# Altium PCB pcb.PcbDoc
Units mil, origin at the board's own origin, x right, y up, seen from the top; angles counter-clockwise.
Board outline 4763.78 x 3385.83 mil, 2 copper layers (Top Layer, Bottom Layer), stack 62.205 mil thick; 83 components, 49 nets, 213 pads, 41 vias.
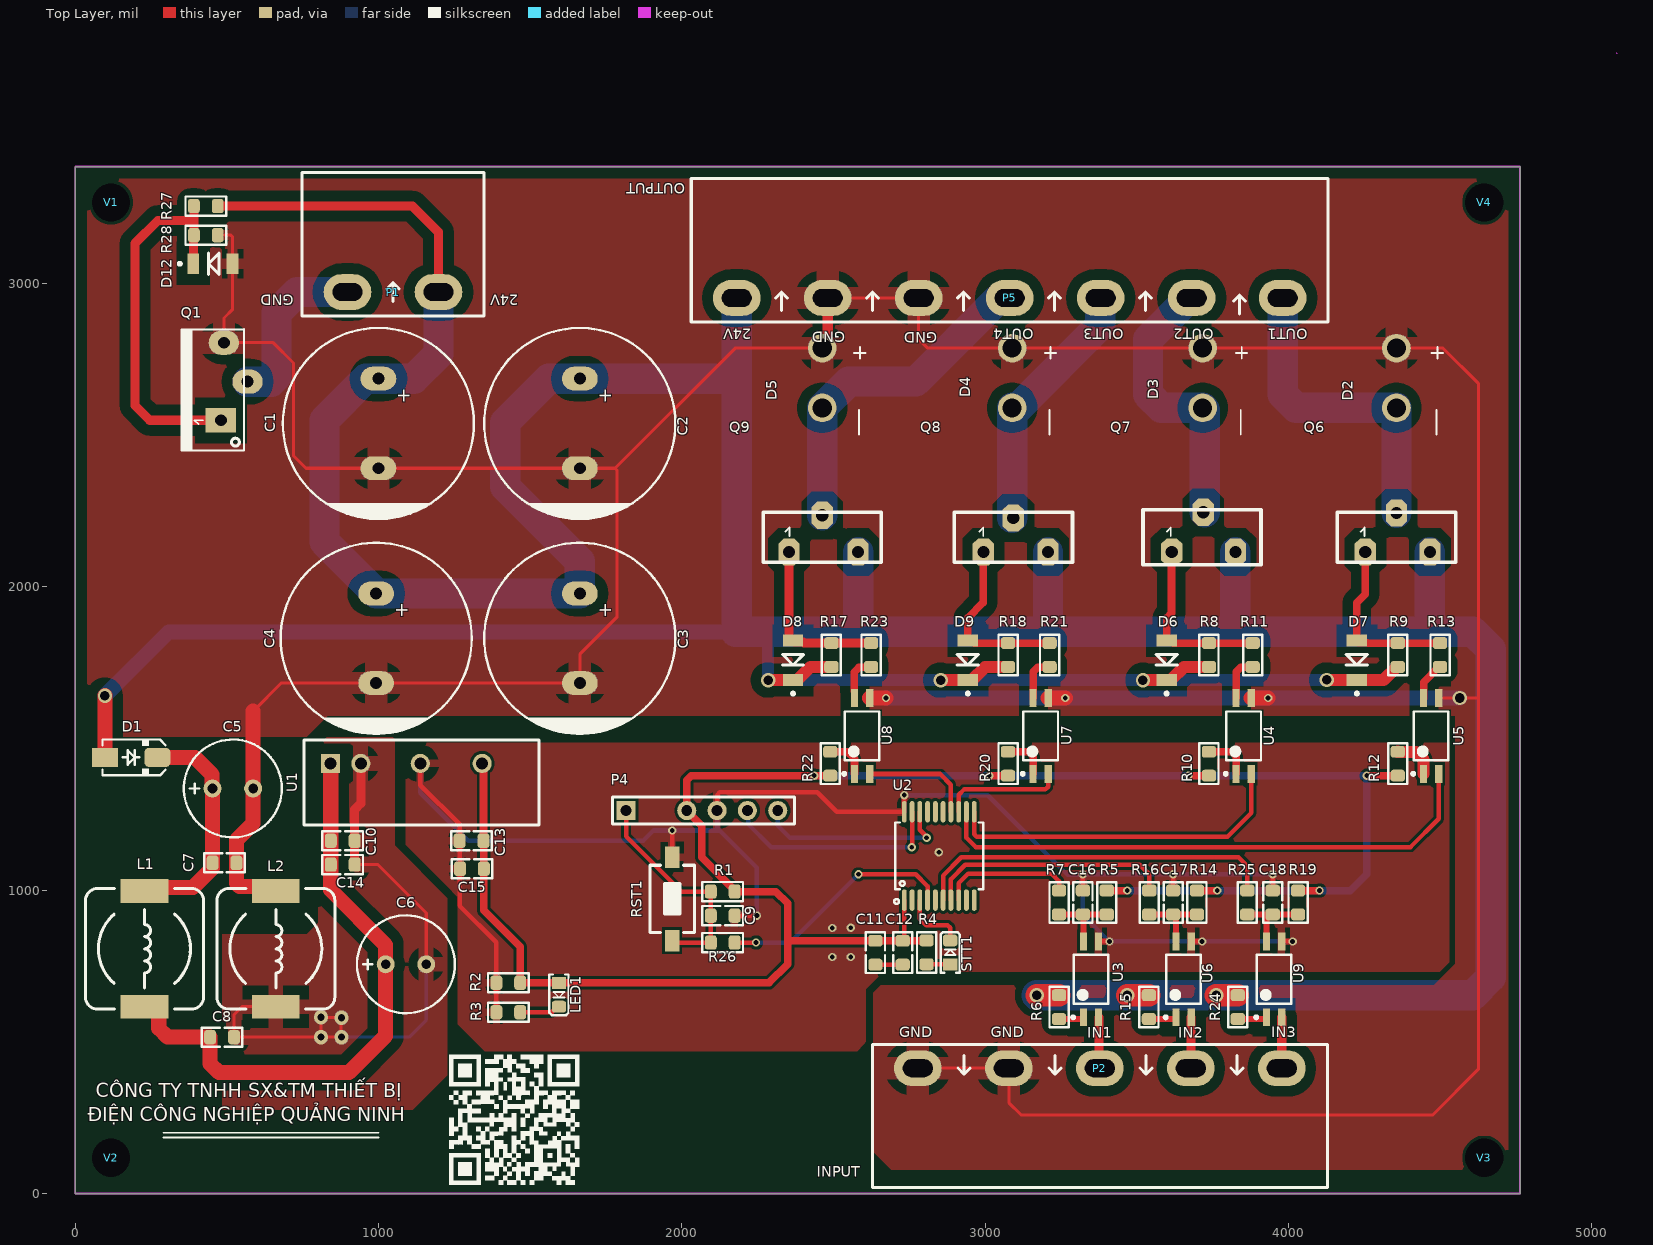
[diagram p0: Top Layer view]
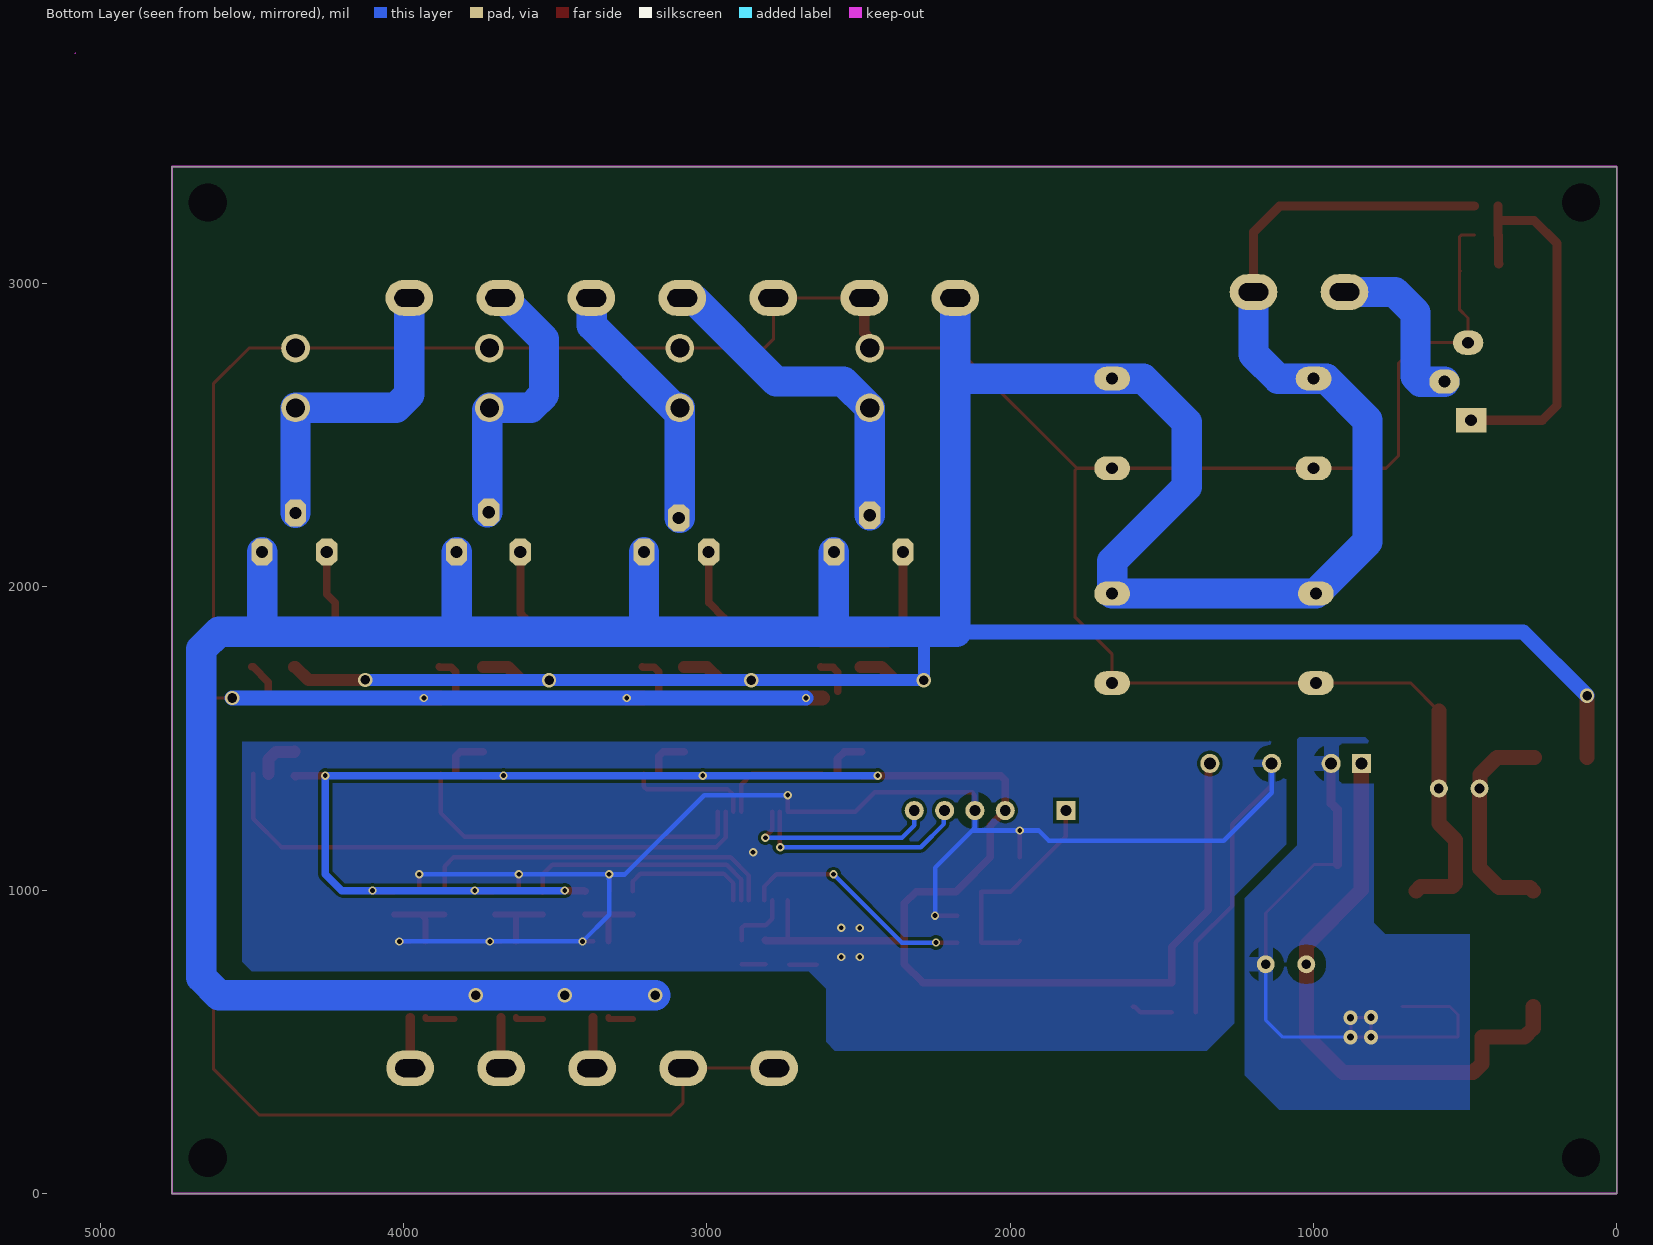
[diagram p1: Bottom Layer view, seen from below]
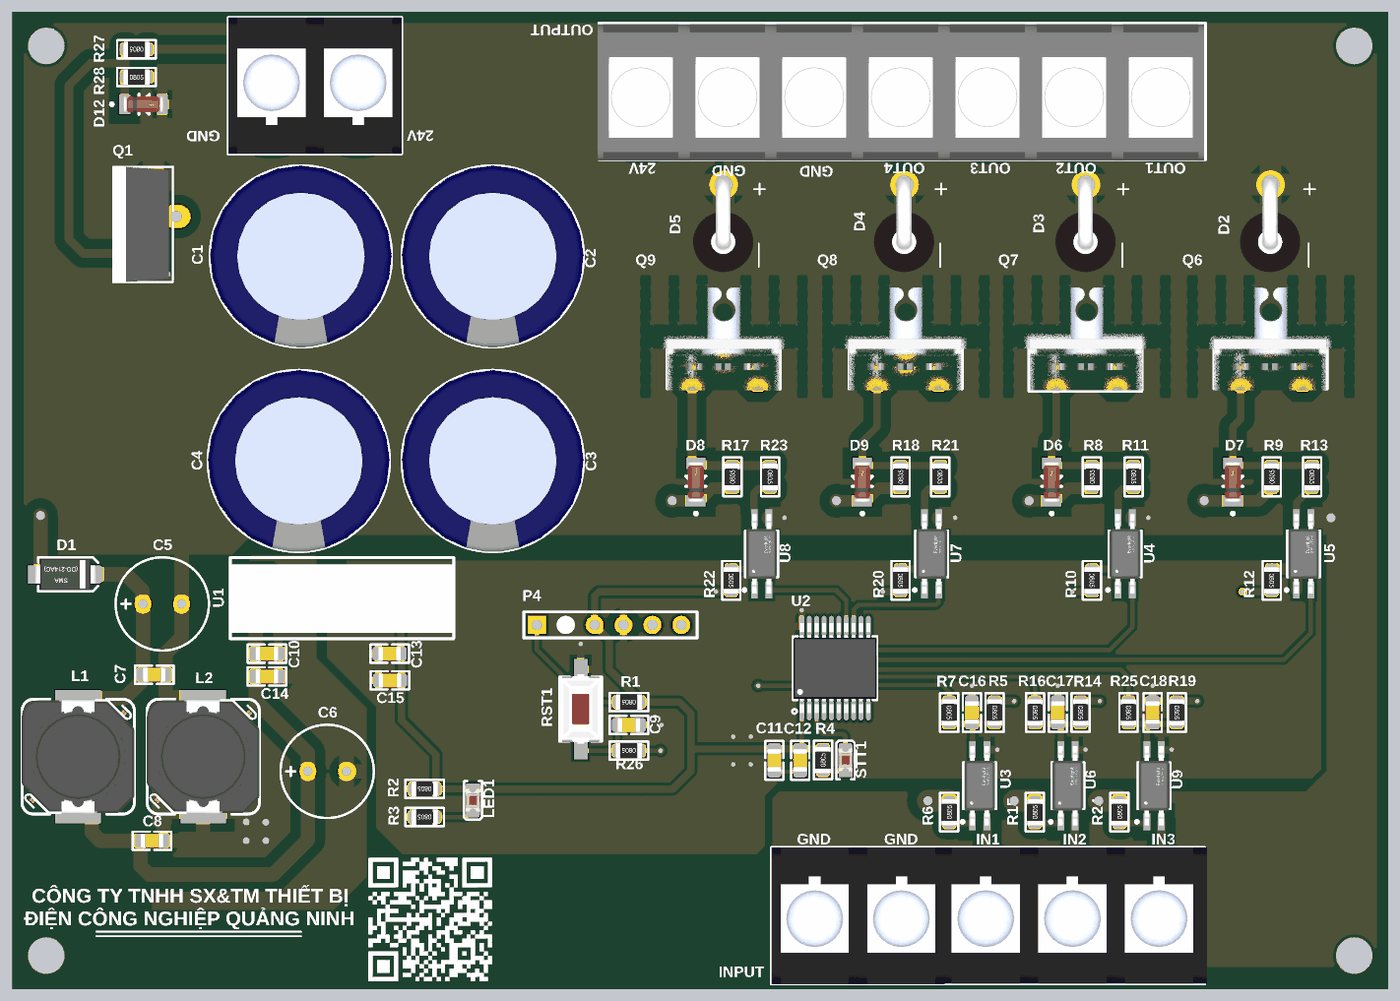
[diagram p2: 3D render of the assembled board from above, using the file's embedded part models]

## Layer stack, top to bottom
Top Solder: solder mask 0.3937, Solder Resist, Dk 3.5
Top Layer: signal copper 1.378
Dielectric 1: dielectric 59.4488, FR-4, Dk 4.8
Bottom Layer: signal copper 1.378
Bottom Solder: solder mask 0.3937, Solder Resist, Dk 3.5

## Board outline
0,0 4763.78,0 4763.78,3385.83 0,3385.83

## Design rules (kind name [scope] priority, off if disabled: settings)
Clearance 24V_MCU [InNet('24V_MCU') vs InNet('GND_24V_MCU')] p1: gap=10 ignorepadtopadclearanceinfootprint=FALSE except(5: SMDPad-SMDPad; 35: Arc-Poly Track-Poly SMDPad-Poly THPad-Poly Via-Poly Fill-Poly Poly-Poly)
Clearance Net_class_GND [InNetClass('OUT') vs InNet('GND_LOAD')] p2: gap=10 ignorepadtopadclearanceinfootprint=FALSE except(5: SMDPad-SMDPad; 35: Arc-Poly Track-Poly SMDPad-Poly THPad-Poly Via-Poly Fill-Poly Poly-Poly)
Clearance GND_5V [All vs InNet('GND_5V')] p3: gap=10 ignorepadtopadclearanceinfootprint=FALSE except(5: SMDPad-SMDPad)
Clearance P5_1 [InNet('NetP1_1')] p4: gap=10 ignorepadtopadclearanceinfootprint=FALSE except(5: SMDPad-SMDPad; 35: Arc-Poly Track-Poly SMDPad-Poly THPad-Poly Via-Poly Fill-Poly Poly-Poly)
Clearance GND_LOAD [All vs InNet('GND_LOAD')] p5: gap=10 ignorepadtopadclearanceinfootprint=FALSE except(5: SMDPad-SMDPad; 35: Arc-Poly Track-Poly SMDPad-Poly THPad-Poly Via-Poly Fill-Poly Poly-Poly)
Height [All] p1: minheight=0 maxheight=1574.8 prefheight=500
HoleSize [All] p1: absolutevalues=TRUE maxlimit=236.22 minlimit=3.94 maxpercent=80.000 minpercent=20.000
MinimumSolderMaskSliver [All] p1: minsoldermaskwidth=1
PlaneConnect [All] p1: planeconnectstyle=Relief reliefexpansion=20 reliefentries=4 reliefconductorwidth=35 reliefairgap=10
PolygonConnect [All] p1: thpad.connectstyle=Relief thpad.reliefconductorwidth=25 thpad.reliefentries=4 thpad.polygonreliefangle="90 Angle" thpad.airgapwidth=30 smdpad.connectstyle=Relief smdpad.reliefconductorwidth=25 smdpad.reliefentries=4 smdpad.polygonreliefangle="90 Angle" smdpad.airgapwidth=15 via.connectstyle=Relief via.reliefconductorwidth=25 via.reliefentries=4 via.polygonreliefangle="90 Angle" via.airgapwidth=15
RoutingVias [All] p1: holewidth=15.75 width=27.56 viastyle="Through Hole" minholewidth=11.81 minwidth=23.62 maxholewidth=39.37 maxwidth=98.43
SilkToSilkClearance [All] p1: silktosilkclearance=1
SilkToSolderMaskClearance [IsPad] p1: minsilkscreentomaskgap=0 clearancetoexposedcopper=TRUE
SolderMaskExpansion [All] p1: expansion=4 istentingtop=FALSE
SupplyNets "Schematic Supply Nets_3" [InNet('GND_24V_MCU')] p1: voltage=0.000
SupplyNets "Schematic Supply Nets_1" [InNet('24V_MCU')] p2: voltage=0.000
SupplyNets "Schematic Supply Nets" [InNet('24V_LOAD')] p3: voltage=0.000
SupplyNets "Schematic Supply Nets_8" [InNet('GND_LOAD')] p4: voltage=0.000
SupplyNets "Schematic Supply Nets_5" [InNet('+5')] p5: voltage=0.000
SupplyNets "Schematic Supply Nets_2" [InNet('GND_5V')] p6: voltage=0.000
UnRoutedNet [All] p1: checkbadconnections=TRUE
Width [All] p1: maxlimit=100 minlimit=10 preferedwidth=50
23 further rules are at their usual default settings.

## Components (designator, comment, footprint, x,y, rotation, side; value= is the part's Value field where it differs from the comment)
C1 "2200uF/35V" C_16x27 999.6,2539.06 r270 top
C2 "2200uF/35V" C_16x27 1663.65,2539.06 r270 top
C3 "2200uF/35V" C_16x27 1663.65,1830.71 r270 top
C4 "2200uF/35V" C_16x27 992.3,1830.71 r270 top
C5 "470uF/35V" C8X12mm 519.68,1335.62 r0 top
C6 "470uF/35V" C8X12mm 1090.55,755.91 r0 top
C7 "104" C_0805_SMD 492.13,1090.55 r180 top
C8 "104" C_0805_SMD 484.25,515.75 r180 top
C9 "104" C_0805_SMD 2134.96,916.47 r180 top
C10 "104" C_0805_SMD 882.06,1163.39 r180 top
C11 "104" C_0805_SMD 2638.33,794.15 r90 top
C12 "10uF/50V" C_0805_SMD 2728.05,794.15 r90 top
C13 "104" C_0805_SMD 1306.7,1163.39 r0 top
C14 "1uF/50V" C_0805_SMD 882.06,1084.79 r180 top
C15 "10uF/16V" C_0805_SMD 1307.85,1071.01 r0 top
C16 "104" C_0805_SMD 3322.42,959.69 r270 top
C17 "104" C_0805_SMD 3619.83,959.69 r270 top
C18 "104" C_0805_SMD 3948.12,959.69 r270 top
D1 "SS34" D_SMA 184.64,1437.97 r0 top
D2 "SR5100_Vertical" DO-201AD_BD5.3-L8.4-P12.50-D1.4-RD 4356.17,2858.28 r90 top
D3 "SR5100_Vertical" DO-201AD_BD5.3-L8.4-P12.50-D1.4-RD 3717.17,2858.28 r90 top
D4 "SR5100_Vertical" DO-201AD_BD5.3-L8.4-P12.50-D1.4-RD 3089.25,2858.28 r90 top
D5 "SR5100_Vertical" DO-201AD_BD5.3-L8.4-P12.50-D1.4-RD 2462.99,2858.28 r90 top
D6 "ZMM12" SOD80C_MFG 3598.43,1757.88 r90 top
D7 "ZMM12" SOD80C_MFG 4225.47,1757.88 r90 top
D8 "ZMM12" SOD80C_MFG 2366.77,1757.88 r90 top
D9 "ZMM12" SOD80C_MFG 2942.91,1757.88 r90 top
D12 "ZMM12" SOD80C_MFG 454.2,3065.6 r0 top
L1 "22uH" CDRH104 228.35,807.09 r270 top
L2 "22uH" CDRH104 661.42,807.09 r270 top
LED1 "LED RED" "LED 0805 Red" 1595.08,655.51 r270 top
P1 "KF 7.62mm - 2P" "KF 7.62 - 2" 1047.81,2972.44 r0 top
P2 "KF 7.62mm - 5P" "KF 7.62 - 5" 3378.13,413.39 r180 top
P4 "HDR 6 Male" "Header Code Pic 2.54 6P" 2066.26,1262.83 r0 top
P5 "KF 7.62mm - 7P" "KF7.62 7P" 2666.1,3164.02 r0 top
Q1 "IRF3205" QTO-220 480.31,2649.61 r90 top
Q6 "IRF9540" QTO-220H3#1 4356.17,2251.27 r0 top
Q7 "IRF9540" QTO-220H3#2 3719.23,2251.27 r0 top
Q8 "IRF9540" QTO-220H3#3 3092.91,2251.27 r0 top
Q9 "IRF9540" QTO-220H3#4 2462.99,2251.27 r0 top
R1 "10K" RES-SMD-0805 2134.96,995.74 r180 top
R2 "1.2k" RES-SMD-0805 1427.81,695.02 r180 top
R3 "2.2k" RES-SMD-0805 1427.81,597.72 r180 top
R4 "2.2k" RES-SMD-0805 2806.81,795.28 r90 top
R5 "4.7K" RES-SMD-0805 3401.16,959.69 r270 top
R6 "3k" RES-SMD-0805 3243.68,614.73 r90 top
R7 "1k" RES-SMD-0805 3243.68,959.69 r270 top
R8 "47K" RES-SMD-0805 3737.91,1775.66 r90 top
R9 "47K" RES-SMD-0805 4360.46,1775.66 r90 top
R10 "220R" RES-SMD-0805 3737.91,1417.33 r270 top
R11 "33R" RES-SMD-0805 3881.95,1775.66 r270 top
R12 "220R" RES-SMD-0805 4360.46,1417.33 r270 top
R13 "33R" RES-SMD-0805 4500.01,1775.66 r270 top
R14 "4.7K" RES-SMD-0805 3698.57,959.69 r270 top
R15 "3k" RES-SMD-0805 3540,614.73 r90 top
R16 "1k" RES-SMD-0805 3541.09,959.69 r270 top
R17 "47K" RES-SMD-0805 2493.08,1775.66 r90 top
R18 "47K" RES-SMD-0805 3075.47,1775.66 r90 top
R19 "4.7K" RES-SMD-0805 4031.78,959.69 r270 top
R20 "220R" RES-SMD-0805 3075.47,1417.33 r270 top
R21 "33R" RES-SMD-0805 3212.6,1775.66 r270 top
R22 "220R" RES-SMD-0805 2489.24,1417.33 r270 top
R23 "33R" RES-SMD-0805 2623.96,1775.66 r270 top
R24 "3k" RES-SMD-0805 3832.99,614.73 r90 top
R25 "1k" RES-SMD-0805 3864.46,959.69 r270 top
R26 "330R" RES-SMD-0805 2134.96,827.73 r180 top
R27 "10K" RES-SMD-0805 430.58,3255.91 r180 top
R28 "10K" RES-SMD-0805 430.58,3159.87 r0 top
RST1 "SW-SMD" "SW-SMD 3x6 mm" 1968.2,971.53 r90 top
STT1 "LED RED" "LED 0805 Red" 2884.85,795.28 r90 top
U1 "B2405S-2W2R" BS2405S-2W2R 1141.73,1314.86 r0 top
U2 "PIC16F18346-I/SS" SOG65_20_W 2848.78,1113.23 r90 top
U3 "EL3H7" SO_4-EL3H7-G_MFG 3349.24,706.27 r90 top
U4 "EL3H7" SO_4-EL3H7-G_MFG 3852.43,1508.86 r90 top
U5 "EL3H7" SO_4-EL3H7-G_MFG 4470.48,1508.86 r90 top
U6 "EL3H7" SO_4-EL3H7-G_MFG 3654.49,706.27 r90 top
U7 "EL3H7" SO_4-EL3H7-G_MFG 3183.07,1508.86 r90 top
U8 "EL3H7" SO_4-EL3H7-G_MFG 2594.43,1508.86 r90 top
U9 "EL3H7" SO_4-EL3H7-G_MFG 3952.76,706.27 r90 top
V1 "Vit m3" "Screw 3.0"#1 118.11,3287.4 r0 top
V2 "Vit m3" "Screw 3.0"#2 137.8,137.8 r0 top
V3 "Vit m3" "Screw 3.0"#3 4468.5,196.85 r0 top
V4 "Vit m3" "Screw 3.0"#4 4488.19,3188.98 r0 top

## Footprints (in the part's own frame and the unit in brackets; to place one, negate y for a bottom-side part, rotate by r counter-clockwise, add the part's x,y. Pads: shape width x height; smd on the part's side, far side on the other; paste and mask are expansions set on the pad)
BS2405S-2W2R [mm]
  rect 1.6x1.6 hole 1 paste-2539.97 mask+0.051: 1(-7.62,2.621)
  round 1.6 hole 1 paste-2539.97 mask+0.051: 2(-5.08,2.621) 3(-0.1,2.621) 4(5.08,2.621)
  silkscreen extent -9.83,-2.53 9.83,4.6, body extent -9.7,-2 9.9,4, height 11.7
C8X12mm [mm] "Cap Elec, D8.0X12.0H pitch: 3.5mm, RB.14/.26, RB.15/.32"
  round 1.5 hole 0.8: 1(-1.7,0) 2(1.7,0)
  silkscreen extent -4.1,-4.1 4.1,4.1, body extent -3.99,-3.99 4,3.99, height 12.3
C_16x27 [mm] "7.5MM Lead Spacing"
  oval 2x3 hole 1: 1(-3.75,0) 2(3.75,0)
  silkscreen extent -8,-8 8,8, body extent -8,-8 8,8, height 27.2
C_0805_SMD [mm]
  rrect50% 1x1.2 smd: 1(-1,0) 2(1,0)
  Top Layer pour cut-out: -0.5,0.8 0.5,0.8 0.5,-0.8 -0.5,-0.8
  silkscreen extent -1.7,-0.8 1.7,0.8, body extent -1,-0.63 1,0.62, height 1
CDRH104 [mm] "10*10*3.8mm"
  rect 2x4 smd: 1(-4.85,0) 2(4.85,0)
  silkscreen extent -5.04,-4.93 5.06,4.95, body extent -5.05,-4.95 5.05,4.95, height 3.85
D_SMA [mm] "SMA Molded Diode, 2-Leads, Body 4.3x2.7mm, SOD-128"
  rect 2.2x1.6 smd: 1(-2.2,0)
  rrect50% 2.2x1.6 smd: 2(2.2,0)
  silkscreen extent -2.4,-1.5 2.88,1.5, body extent -2.75,-1.4 2.75,1.4, height 2.6
DO-201AD_BD5.3-L8.4-P12.50-D1.4-RD [mm]
  round 2.4 hole 1.6 paste-2539.97 mask+0.051: 1(-6.8,0) 2(-1.8,0)
  body extent -9.49,-2.6 -0.91,2.68, height 13.98
"Header Code Pic 2.54 6P" [mm]
  rect 1.6x1.6 hole 0.9: 1(-6.35,0)
  round 1.6 on Top Overlay: 2(-3.81,0)
  round 1.6 hole 0.9: 3(-1.27,0) 4(1.27,0) 5(3.81,0) 6(6.35,0)
  silkscreen extent -7.49,-1.14 7.75,1.14
"KF7.62 7P" [mm]
  oval 4x3 hole 1.5 slot 2.5 at 0 deg: 1(-12.319,-5.366) 2(-4.699,-5.366) 3(2.921,-5.366) 4(10.541,-5.366) 5(18.161,-5.366) 6(25.781,-5.366) 7(33.401,-5.366)
  silkscreen extent -16.13,-7.37 37.21,4.63, body extent -16.26,-7.43 37.08,4.57, height 12.4
"KF 7.62 - 2" [mm]
  oval 4x3 hole 1.5 slot 2.5 at 0 deg: 1(-3.81,0) 2(3.81,0)
  silkscreen extent -7.62,-2 7.62,10, body extent -7.62,-1.99 7.62,10.01, height 12.4
"KF 7.62 - 5" [mm]
  oval 4x3 hole 1.5 slot 2.5 at 0 deg: 1(-15.24,0) 2(-7.62,0) 3(0,0) 4(7.62,0) 5(15.24,0)
  silkscreen extent -19.05,-2 19.05,10, body extent -19.25,-2 19.05,10.01, height 12.4
"LED 0805 Red" [mm]
  rect 1x1.2 smd: 1(-1,0)
  rrect50% 1x1.2 smd: 2(1,0)
  silkscreen extent -1.7,-0.8 1.7,0.8, body extent -1,-0.63 1,0.63, height 0.9
QTO-220 [mil] "TO-220 - 1-2-3"
  rect 80x100 hole 39: 1(-100,0)
  oval 80x100 hole 39: 2(27.44,-87.8) 3(155.82,-10)
  silkscreen extent -200,-76 200,130, body extent -200,-63 200,108, height 803
QTO-220H3#1 [mil] "TO-220 1-2-3"
  oct 70x90 hole 40: 1(-102.79,-136.25) 2(0,-7.18) 3(110.24,-136.25)
  silkscreen extent -195,-170 195,-5, body extent -290,-202 292,223, height 984
QTO-220H3#2 [mil] "TO-220 1-2-3"
  oct 70x90 hole 40: 1(-103.99,-136.25) 2(-0.01,-5) 3(105.86,-136.25)
  body extent -290,-202 292,223, height 984
QTO-220H3#3 [mil] "TO-220 1-2-3"
  oct 70x90 hole 40: 1(-98.82,-136.25) 2(0,-24.14) 3(114.66,-136.25)
  silkscreen extent -195,-170 195,-5, body extent -290,-202 292,223, height 984
QTO-220H3#4 [mil] "TO-220 1-2-3"
  oct 70x90 hole 40: 1(-109.65,-136.25) 2(0,-14.91) 3(118.25,-136.25)
  silkscreen extent -195,-170 195,-5, body extent -290,-202 292,223, height 984
RES-SMD-0805 [mm]
  rrect50% 1x1.2 smd paste-0.1 mask+0.075: 1(-1,0) 2(1,0)
  Top Layer pour cut-out: -0.5,0.697 0.5,0.697 0.5,-0.713 -0.5,-0.713
  silkscreen extent -1.7,-0.8 1.7,0.8, body extent -1.15,-0.67 1.15,0.67, height 0.76
"Screw 3.0"#1 [mm] "Hole 3.0mm"
  round 0 / inner round 7.2 / far side round 0 hole 3.2 mask+0.1: 1(0,-0.5)
"Screw 3.0"#2 [mm] "Hole 3.0mm"
  round 0 / inner round 7.2 / far side round 0 hole 3.2 mask+0.1: 1(-0.5,-0.5)
"Screw 3.0"#3 [mm] "Hole 3.0mm"
  round 0 / inner round 7.2 / far side round 0 hole 3.2 mask+0: 1(4.5,-2)
"Screw 3.0"#4 [mm] "Hole 3.0mm"
  round 0 / inner round 7.2 / far side round 0 hole 3.2 mask+0.1: 1(4,2)
SO_4-EL3H7-G_MFG [mm]
  rect 1.5x0.6 smd paste+0 mask+0: 1(-3.175,0.635) 2(-3.175,-0.635) 3(3.175,-0.635) 4(3.175,0.635)
  silkscreen extent -3.3,-1.45 2.05,1.62, body extent -3.5,-1.35 3.5,1.35, height 2
SOD80C_MFG [mm]
  rect 1x1.7 smd: 1(-1.65,0) 2(1.65,0)
  silkscreen extent -2.9,-0.89 0.51,0.89, body extent -1.75,-0.8 1.75,0.8, height 1.6
SOG65_20_W [mm] "SSOP20, TSSOP20, RU-20, RQ-20, DB, pitch: 0.65mm, 7X5.3mm, QSP, SOT339-1, SOT266-1, AT-260, TSSO6X6-G20, NP20, MO-153AC, MO-150AE, MO-137-AD, MO-152"
  oval 1.8x0.4 smd mask+0.075: 1(-3.7,2.925) 2(-3.7,2.275) 3(-3.7,1.625) 4(-3.7,0.975) 5(-3.7,0.325) 6(-3.7,-0.325) 7(-3.7,-0.975) 8(-3.7,-1.625) 9(-3.7,-2.275) 10(-3.7,-2.925) 11(3.7,-2.925) 12(3.7,-2.275) 13(3.7,-1.625) 14(3.7,-0.975) 15(3.7,-0.325) 16(3.7,0.325) 17(3.7,0.975) 18(3.7,1.625) 19(3.7,2.275) 20(3.7,2.925)
  silkscreen extent -4.01,-3.7 2.8,3.77, body extent -3.95,-3.66 3.95,3.67, height 1.98
"SW-SMD 3x6 mm" [mm] "Switch SMD type"
  rect 1.8x1.2 smd: 1(-3.5,0) 2(3.5,0)
  silkscreen extent -2.82,-1.85 2.82,1.85, body extent -3.05,-1.85 3.05,1.85, height 2.5

## Part data
C1 C2 C3 C4: library part "Cap Pol 2200uF/35V", "Polarized Capacitor (Axial) 2200uF 35V", Code=1402-234
C5 C6: library part "Cap Pol 470uF/35V", "Polarized Capacitor (Axial) 470uF 35V", Code=1402-231
C7 C8 C9 C10 C11 C13 C16 C17 C18: library part "Cap 0805 104 100nF", "Cap SMD 0805 104-100nF-0.1uF 50V", Code=1438-080
C12: library part "Cap 0805 10uF 50V", "Cap SMD 0805 10uF 50V", Code=1438-100
C14: library part "Cap 0805 1uF 50V", "Cap SMD 0805 105 - 1uF 50V", Code=1438-092
C15: library part "Cap 0805 10uF 16V", "Cap SMD 0805 10uF 16V", Code=1435-100
D1: library part SS34-SMA, "Surface-Mount Schottky Barrier Rectifier", Code=2005-008
D6 D7 D8 D9 D12: library part "ZMM12 Diode Zener", "zener 500mW SMD", Code=2003-023, Designed by=TranLuyen
L1 L2: library part "IND CDRH104 1038-220 22uH 3.6A", "Inductor CDRH104 SMD 10x10x3.8mm", Code=N/A, Designed by=TranLuyen
LED1 STT1: library part "LED 0805 RED", "LED 0805 SMD RED", Code=8600-017, Designed by=TranLuyen
P1: library part "KF 7.62 - 2Pin", Code=3519-034, ComponentLink1 Description=Manufacturer, ComponentLink1URL=http://www.we-online.com, ComponentLink2 Description=Datasheet, ComponentLink2URL=http://katalog.we-online.de/em/datasheet/6911031100xx.pdf, Designed by="Tran Luyen"
P2: library part "KF 7.62 - 5P", Code=N/A, ComponentLink1 Description=Manufacturer, ComponentLink1URL=http://www.we-online.com, ComponentLink2 Description=Datasheet, ComponentLink2URL=http://katalog.we-online.de/em/datasheet/6911031100xx.pdf
P4: library part "Header Code PIC", "Header 6-5Pin", Code=NULL
P5: library part "KF 7.62 - 7P", Code=3519-038, ComponentLink1 Description=Manufacturer, ComponentLink1URL=http://www.we-online.com, ComponentLink2 Description=Datasheet, ComponentLink2URL=http://katalog.we-online.de/em/datasheet/6911031100xx.pdf, Designed by="Tran Luyen"
Q1: library part "IRF3205 TO-220", "MOSFET N - CHANNEL", Code=N/A
Q6 Q7 Q8 Q9: "P-Channel, Vds = -100V, Vgs = +-20V", Code=1901-048
R1 R27 R28: library part "Res 10k 0805", "Resistor SMD 0805", Code=1024-111
R2: library part "Res 1.2k 0805", "Resistor SMD 0805", Code=1024-088
R3 R4: library part "Res 2.2K 0805", "Resistor SMD 0805", Code=1024-094
R5 R14 R19: library part "Res 4.7k 0805", "Resistor SMD 0805", Code=1024-103
R6 R15 R24: library part "Res 3k 0805", "Resistor SMD 0805", Code=1024-098, Designed by=TranLuyen
R7 R16 R25: library part "Res 1k 0805", "Resistor SMD 0805", Code=1024-086
R8 R9 R17 R18: library part "Res 47k 0805", "Resistor SMD 0805", Code=1024-128
R10 R12 R20 R22: library part "Res 220R 0805", "Resistor SMD 0805", Code=1025-071
R11 R13 R21 R23: library part "Res 33R 0805", "Resistor SMD 0805", Code=N/A
R26: library part "Res 330R 0805", "Resistor SMD 0805", Code=1024-074
RST1: library part "SW2 SMD 3x6", "Button 3x6 mm x 2.5mm 2Pin SMD", Code=3606-006
U1: "B 2405 - DC DC Converter 5V 2WR2", Code=N/A, ComponentLink1Description="Manufacturer Link", ComponentLink2Description=Datasheet, ComponentLink3Description="Packaging Specification"
U2: "IC MCU 8BIT 28KB FLASH 20SSOP", Code=N/A
U3 U4 U5 U6 U7 U8 U9: library part "EL3H7(C)(TA)-VG SSOP-4", "Optocoupler DC-IN 1-CH Transistor DC-OUT 4-Pin SSOP T/R", Code=2303-012, ComponentLink1Description=Datasheet, ComponentLink1URL=https://datasheet.octopart.com/EL3H7%28C%29%28TA%29-VG-Everlight-datasheet-101745741.pdf, Designed by=TranLuyen
V1 V2 V3 V4: library part "Screw Vit m3", "Screw Vit m3", Code=N/A

## Via types
v1: diameter 27.56, hole 15.75, Top Layer to Bottom Layer, tented both sides, 27 vias
v2: diameter 47.24, hole 31.5, Top Layer to Bottom Layer, tented both sides, 9 vias
v3: diameter 47.24, hole 23.62, Top Layer to Bottom Layer, tented both sides, 4 vias
v4: diameter 27.56, hole 15.75, Top Layer to Bottom Layer, 1 vias

## Nets (pads, with @x,y where several pads share a name; then routed paths per layer and width w, separated by ;. In a path a pad name is that pad's centre, name@x,y a point inside that pad or via, vN(x,y) a via of type N, cw(c..) or ccw(c..) an arc to the next point about the centre after c; other vN are vias at no path point)
24V_LOAD: C1.1 C2.1 C3.1 C4.1 D1.1 D6.1 D7.1 D8.1 D9.1 P1.2 P5.1 Q6.3 Q7.3 Q8.3 Q9.3 R6.2 R8.1 R9.1 R15.2 R17.1 R18.1 R24.2 R27.1 | length 17295
  Top Layer w25: D8.1 D8.1@2380.55,1692.92 ; D9.1 D9.1@2956.69,1692.92 ; D6.1 D6.1@3612.21,1692.92
  Top Layer w30: R27.1 1111.64,3255.9 1197.81,3169.73 P1.2
  Top Layer w40: v2(2284.76,1692.92) D8.1 ; D8.1@2380.55,1692.92 2423.92,1736.29 R17.1 ; v2(2853.35,1692.92) D9.1 ; D9.1@2956.69,1692.92 3000.07,1736.29 R18.1 ; v2(3520.35,1692.92) D6.1 ; D6.1@3612.21,1692.92 3655.58,1736.29 R8.1 ; v2(4126.17,1693.39) 4126.41,1693.15 4225.24,1693.15 D7.1 4313.77,1692.92 4357.15,1736.29 R9.1
  Top Layer w50: D1.1 v2(98.02,1641.73) ; P1.2@1178.13,2972.44 P1.2
  Top Layer w75: v2(3169.88,654.11) R6.2 ; v2(3468.5,654.11) R15.2 ; v2(3761.53,654.11) R24.2
  Bottom Layer w40: 2286.48,1852.03 2284.76,1850.31 v2(2284.76,1692.92) v2(2853.35,1692.92) v2(3520.35,1692.92) ; 2581.24,1889.66 2618.08,1852.82 ; 3204.35,1852.82 3207.57,1856.05 ; v2@3520.82,1693.39 v2(4126.17,1693.39) ; 3803.35,1857.11 3825.09,1878.85
  Bottom Layer w50: v2(98.02,1641.73) 308.32,1852.03 2176.76,1852.03
  Bottom Layer w100: P1.2 1197.81,2767.68 1116.84,2686.7 C1.1 958.35,2686.7 821.96,2550.31 821.96,2148.68 C4.1 C3.1 1663.65,2084.38 1417.86,2330.17 1417.86,2543.17 1561.39,2686.7 2181.1,2686.7 ; P5.1 2181.1,2686.7 ; 2283.96,1852.82 2618.08,1852.82 3204.35,1852.82 3807.63,1852.82 ; 2286.48,1852.03 2176.76,1852.03 2181.1,1856.37 2181.1,2686.7 ; 2581.24,1889.66 Q9.3 ; v2(3169.88,654.11) v2(3468.5,654.11) v2(3761.53,654.11) 4608.66,654.11 4667.23,712.69 4667.23,1794.25 4608.66,1852.82 4466.41,1852.82 ; 3207.57,1856.05 Q8.3 ; 3803.35,1857.11 3807.63,1852.82 ; 3825.09,1878.85 Q7.3 ; Q6.3 4466.41,1852.82 ; 3807.63,1852.82 4466.41,1852.82
24V_MCU: C6.1 C8.2 C10.2 C14.2 L1.2 U1.1 | length 1954.7
  Top Layer w50: L1.2@275.59,616.14 275.59,545.04 304.88,515.75 C8.2 444.88,428.23 474.17,398.94 902.98,398.94 1023.62,519.58 C6.1 1023.62,819.88 842.69,1000.81 C14.2 C10.2 842.69,1417.1 U1.1
+5: C11.2 C12.2 C13.2 C15.2 LED1.1 P4.3 R1.1 R2.1 R4.2 R5.1 R10.2 R12.2 R14.1 R19.1 R20.2 R22.2 U1.4 U2.1 | length 6970.7
  Top Layer w15: C12.2 2728.61,834.08 2733.48,838.95 2733.48,967.42 U2.1
  Top Layer w25: U1.4 1346.07,1413.72 C13.2 ; C13.2@1347.22,1162.24 C15.2 1347.22,933.62 1467.18,813.65 R2.1 LED1.1@1595.08,695.02 ; LED1.1 2287.4,694.88 2349.27,756.75 2349.27,833.52 ; R22.2 v1(2436.74,1377.95) 2030.9,1377.95 2016.26,1363.31 P4.3 2066.26,1212.84 2066.26,1108.22 2167.14,1007.33 2167.14,1006.86 2178.27,995.74 2309.97,995.74 2349.27,956.44 2349.27,833.52 ; R4.2 2806.25,834.08 2728.61,834.08 2638.9,834.08 C11.2 2349.27,833.52 ; v1(3013.78,1377.95) R20.2 ; R5.1@3401.16,996.17 3404.04,999.05 v1(3468.5,999.06) ; v1(3670.48,1377.95) R10.2 ; R14.1@3705.5,999.05 v1(3765.36,999.06) ; R19.1 v1(4102.36,999.06) ; v4(4257.95,1377.95) R12.2 R12.2@4356.22,1373.71
  Bottom Layer w25: v1(2436.74,1377.95) v1(3013.78,1377.95) v1(3670.48,1377.95) v4(4257.95,1377.95) 4257.95,1053.05 4203.95,999.06 v1(4102.36,999.06) v1(3765.36,999.06) v1(3468.5,999.06)
B4_IN: R7.1 U2.8 | length 444.2
  Top Layer w15: U2.8 2912.9,967.7 2912.9,1023.9 2943.78,1054.78 3219.17,1054.78 3243.68,1030.26 R7.1@3243.68,996.17
B5_IN: R16.1 U2.7 | length 815.4
  Top Layer w15: U2.7 2887.31,967.7 2887.31,1036 2935.08,1083.77 3509.81,1083.77 3541.09,1052.49 R16.1@3541.09,992.13
B6_IN: R25.1 U2.6 | length 1201.5
  Top Layer w15: U2.6 2861.58,1048.52 2921.83,1108.77 3835.47,1108.77 3864.46,1079.78 R25.1
C0_OUT: U2.12 U5.2 | length 1842.2
  Top Layer w15: U2.12 2938.49,1258.75 2938.49,1173.23 2969.14,1142.58 4402.42,1142.58 4495.48,1235.64 U5.2
C1_OUT: U2.11 U4.2 | length 1152.5
  Top Layer w15: U2.11 2963.94,1184.5 2971.81,1176.63 3799.16,1176.63 3877.43,1254.9 U4.2
C2_OUT: U2.13 U7.2 | length 404.5
  Top Layer w15: U2.13 2912.9,1259.04 2912.9,1314.84 2930.48,1332.41 3198.79,1332.41 3207.57,1341.2 3207.57,1383.37 U7.2
C3_OUT: U2.14 U8.2 | length 371
  Top Layer w15: U8.2@2619.93,1383.37 2851.89,1383.37 2887.03,1348.23 2887.03,1259.04 U2.14
GND_5V: C9.1 C13.1 C15.1 C16.1 C17.1 C18.1 P4.4 R2.2 R3.2 RST1.2 U1.3 U2.20 U3.3 U6.3 U9.3 | length 5861.5
  Top Layer w15: U1.3 1137.8,1346.65 1267.33,1217.11 C13.1 1267.9,1162.81 1267.9,1071.58 C15.1 1268.48,948.36 1388.44,828.4 R2.2 1388.44,598.86 1387.87,598.29 R3.2 ; RST1.2 v1(1968.2,1197.07) ; P4.4 2116.26,1313.86 2125.04,1322.64 2447.05,1322.64 2510.8,1258.9 U2.20 2733.55,1258.97 2733.55,1313.79 v1(2733.48,1313.86) ; C9.1 v1(2247.75,916.47) ; C16.1@3322.42,996.17 v1(3322.42,1052.49) ; U3.3 v1(3410.27,831.27) ; C17.1 v1(3619.83,1052.49) ; U6.3 v1(3715.51,831.27) ; C18.1 v1(3948.12,1052.49) ; U9.3 v1(4013.78,831.27)
  Bottom Layer w15: U1.3 1137.8,1321.27 1296.25,1162.81 1872.15,1162.81 1906.41,1197.07 v1(1968.2,1197.07) 2125.04,1197.07 ; P4.4 2116.26,1205.86 2125.04,1197.07 ; v1(2247.75,916.47) 2247.75,1074.36 2125.04,1197.07 ; v1(2733.48,1313.86) 3009.17,1313.86 3271.05,1051.97 v1@3321.91,1051.97 ; 3324.28,1037.19 v1@3322.42,1039.05 ; v1(3948.12,1052.49) v1(3619.83,1052.49) v1(3322.42,1052.49) v1@3322.42,1039.05 ; v1(4013.78,831.27) v1(3715.51,831.27) v1(3410.27,831.27) 3322.42,919.12 v1@3322.42,1039.05
  other v1: 2496.14,780.05 2557.03,780.05 2496.14,875.74 2557.03,876.19 2847.53,1125.46
GND_24V_MCU: C6.2 C8.1 C10.1 C14.1 L2.2 U1.2 | length 2124.2
  Top Layer w10: L2.2@708.66,616.14 549.92,616.14 523.62,589.84 C8.1 v3(810.24,515.75) ; C14.1 997.89,1084.79 1157.48,925.2 C6.2 ; U1.2@941.73,1406.01 U1.2 ; v3(810.24,515.75) v3(810.24,581.23) 810.92,580.55 877.32,580.55 v3(878,579.88) 875.62,577.49 875.62,518.14 873.23,515.75 v3(810.24,515.75)
  Top Layer w30: C14.1 C10.1 921.43,1266.32 941.73,1286.62 U1.2@941.73,1406.01
  Bottom Layer w10: v3@873.23,515.75 1101.31,515.75 1157.48,571.92 C6.2
  other v3: 878,515.75
GND_LOAD: C1.2 C2.2 C3.2 C4.2 C5.2 C7.1 D2.2 D3.2 D4.2 D5.2 D12.2 L2.1 P2.4 P2.5 P5.2 P5.3 Q1.3 R28.2 U4.3 U5.3 U7.3 U8.3 | length 14519.1
  Top Layer w10: R28.2 513.3,3159.87 519.16,3154.01 D12.2@519.16,3041.98 ; D12.2@515.22,3041.98 519.16,3038.04 519.16,2915.35 490.31,2886.51 Q1.3 652.93,2805.42 720.04,2738.31 720.04,2432.43 761.04,2391.43 C1.2 C2.2 1779.88,2391.43 ; 586.61,1590.55 679.13,1683.07 C4.2 1566.24,1683.07 1566.96,1683.79 C3.2@1669.94,1683.79 ; C3.2 1663.65,1777.88 1785.74,1899.97 1785.74,2385.57 1779.88,2391.43 ; D5.2 2175.86,2787.4 1779.88,2391.43 ; P5.2 P5.3 2781.1,2816.69 2810.39,2787.4 D4.2 D3.2 D2.2 4509.9,2787.4 4625.98,2671.32 4625.98,1633.86 ; P2.5 P2.4 3078.13,299.82 3118.11,259.84 4476.38,259.84 4625.98,409.45 4625.98,1633.86 ; U5.3 v2(4565.17,1633.86) 4625.98,1633.86
  Top Layer w35: D5.2 2474.37,2798.78 2474.37,2830.92 2481.1,2837.65 P5.2
  Top Layer w50: 586.61,1590.55 C5.2 586.61,1220.45 531.5,1165.33 C7.1 531.5,1023.18 542.27,1012.4 647.05,1012.4 L2.1 ; U8.3 v1(2673.23,1633.86) ; U7.3 v1(3264.42,1633.86) ; U4.3 v1(3933.07,1633.86)
  Bottom Layer w50: v1(2673.23,1633.86) v1(3264.42,1633.86) v1(3933.07,1633.86) v2(4565.17,1633.86)
IN1: P2.3 U3.2 | length 169.5
  Top Layer w25: U3.2 U3.2@3374.93,580.58 ; P2.3@3374.93,416.58 P2.3
  Top Layer w30: P2.3@3374.93,416.58 U3.2@3374.93,580.58
IN2: P2.2 U6.2 | length 168.4
  Top Layer w25: P2.2 P2.2@3678.81,414.06 ; U6.2@3678.81,580.59 U6.2
  Top Layer w30: P2.2@3678.81,414.06 U6.2@3678.81,580.59
IN3: P2.1 U9.2 | length 168
  Top Layer w25: U9.2 U9.2@3977.94,581.08 ; P2.1@3977.94,413.57 P2.1
  Top Layer w30: P2.1@3977.94,413.57 U9.2@3977.94,581.08
Net_2: D7.2 Q6.1 R9.2 R13.1 | length 581.5
  Top Layer w25: Q6.1 4253.39,1976.39 4225.47,1948.48 D7.2 4232.66,1815.66 4260.46,1815.66 4261.08,1815.03 R9.2 R13.1
NetC5_1: C5.1 C7.2 D1.2 L1.1 | length 720.9
  Top Layer w50: D1.2 394.88,1437.97 451.08,1381.76 451.08,1337.28 C5.1 452.76,1072.83 388.86,1008.94 286.5,1008.94 L1.1@275.59,998.03
NetC11_1: C11.1 C12.1 | length 89.7
  Top Layer w15: C11.1 C12.1
NetC16_2: C16.2 R5.2 R7.2 U3.4 | length 247.3
  Top Layer w20: R7.2 C16.2 ; U3.4 3324.24,918.49 C16.2 ; R5.2 C16.2
NetC17_2: C17.2 R14.2 R16.2 U6.4 | length 250.5
  Top Layer w20: R16.2 C17.2 ; U6.4 3629.49,910.65 C17.2 ; R14.2 3629.49,920.31 C17.2
NetC18_2: C18.2 R19.2 R25.2 U9.4 | length 267.1
  Top Layer w20: R25.2 R19.2 ; U9.4 3927.76,903.89 3944.18,920.32 C18.2
NetD6_2: D6.2 Q7.1 R8.2 R11.1 | length 599.9
  Top Layer w25: Q7.1@3614.38,2129.39 3614.38,1913.59 3598.43,1897.64 D6.2 3612.21,1822.84 3620.02,1815.03 R8.2 R11.1
NetD8_2: D8.2 Q9.1 R17.2 R23.1 | length 563.3
  Top Layer w30: Q9.1 2353.35,1827.53 2358.03,1822.84 D8.2 2371.46,1818.16 2399.69,1818.16 2402.81,1815.03 R17.2 R23.1
NetD9_2: D9.2 Q8.1 R18.2 R21.1 | length 598
  Top Layer w25: Q8.1@2994.1,2126.72 2994.1,1948.82 2942.91,1897.64 D9.2 2956.69,1822.84 2964.5,1815.03 R18.2 R21.1
NetD12_1: D12.1 Q1.1 R27.2 R28.1 | length 1254.2
  Top Layer w30: D12.1 390.22,3066.59 390.22,3158.88 R28.1 391.21,3207.89 ; R27.2 391.21,3207.89 ; Q1.1 245.89,2549.61 196.85,2598.64 196.85,3132.32 272.42,3207.89 391.21,3207.89
NetLED1_2: LED1.2 R3.1 | length 135.5
  Top Layer w15: R3.1 1571.45,597.72 1589.87,616.14 LED1.2
NetP1_1: P1.1 Q1.2 | length 574.6
  Bottom Layer w100: Q1.2 646,2677.05 663.58,2694.62 663.58,2903.74 732.28,2972.44 P1.1
NetR4_1: R4.1 STT1.1 | length 78
  Top Layer w15: R4.1 STT1.1
NetR6_1: R6.1 U3.1 | length 85.4
  Top Layer w20: R6.1 3322.43,575.37 3324.24,577.18 U3.1
NetR10_1: R10.1 U4.1 | length 153.8
  Top Layer w25: R10.1 3812.78,1456.69 3827.43,1442.05 U4.1
NetR11_2: R11.2 U4.4 | length 147.2
  Top Layer w25: U4.4 3828.12,1634.55 3828.12,1720.26 3842.76,1734.91 3880.58,1734.91 R11.2
NetR12_1: R12.1 U5.1 | length 143.2
  Top Layer w40: R12.1 4360.77,1456.38 4420.79,1456.38 4445.48,1431.69 U5.1
NetR13_2: R13.2 U5.4 | length 127.3
  Top Layer w25: U5.4 4446.17,1634.55 4446.17,1686.38 4496.07,1736.29 R13.2
NetR15_1: R15.1 U6.1 | length 94.3
  Top Layer w20: R15.1 3627.68,575.37 3629.49,577.18 U6.1
NetR20_1: R20.1 U7.1 | length 146.9
  Top Layer w25: R20.1 3143.42,1456.69 3158.07,1442.05 U7.1
NetR21_2: R21.2 U7.4 | length 147
  Top Layer w25: U7.4 3158.76,1634.55 3158.76,1720.06 3173.51,1734.81 3211.12,1734.81 R21.2
NetR22_1: R22.1 U8.1 | length 139.5
  Top Layer w25: R22.1 2546.27,1456.69 2569.43,1433.53 U8.1
NetR23_2: R23.2 U8.4 | length 125.7
  Top Layer w25: U8.4@2567.99,1656.49 2567.99,1719.17 2584.25,1735.42 2623.1,1735.42 R23.2
NetR24_1: R24.1 U9.1 | length 99.6
  Top Layer w20: R24.1 3925.94,575.37 3927.76,577.18 U9.1
NetR26_1: R26.1 U2.4 | length 791.3
  Top Layer w15: R26.1 v1(2244.83,827.73) ; v1(2582.52,1052.49) 2771.44,1052.49 2810.18,1013.75 2810.18,995.86 2810.25,995.79 2810.25,967.7 U2.4
  Bottom Layer w15: v1(2244.83,827.73) 2357.76,827.73 v1(2582.52,1052.49)
NetSTT1_2: STT1.2 U2.3 | length 215.6
  Top Layer w15: U2.3 2784.81,905.86 2805.69,884.98 2876.06,884.98 2884.85,876.19 STT1.2
OUT1: D2.1 P5.7 Q6.2 | length 1058
  Bottom Layer w100: P5.7 3981.1,2634.49 4025.04,2590.55 D2.1 Q6.2
OUT2: D3.1 P5.6 Q7.2 | length 919.9
  Bottom Layer w100: P5.6 3673.08,2952.76 3536.99,2816.66 3536.99,2634.49 3580.92,2590.55 D3.1 ; D3.1@3723.07,2584.69 3724.13,2583.64 Q7.2@3724.13,2246.27
OUT3: D4.1 P5.5 Q8.2 | length 858.8
  Bottom Layer w75: P5.5@3380.04,2951.69 P5.5 P5.5@3380.04,2952.76
  Bottom Layer w100: Q8.2@3089.25,2227.13 D4.1 3108.39,2590.55 3380.04,2862.2 P5.5@3380.04,2951.69
OUT4: D5.1 P5.4 Q9.2 | length 1132.7
  Bottom Layer w100: Q9.2 D5.1 2549.61,2677.17 2771.12,2677.17 3043.24,2949.29 P5.4@3092.91,2949.29
PGC: P4.6 U2.18 | length 651.7
  Top Layer w15: U2.18 2784.81,1198.95 2807.13,1176.63 v1(2807.13,1173.23)
  Bottom Layer w15: P4.6 2316.26,1213.72 2356.74,1173.23 v1(2807.13,1173.23)
PGD: P4.5 U2.19 | length 734.2
  Top Layer w15: v1(2758.44,1141.95) 2759.07,1142.58 2759.07,1258.75 U2.19
  Bottom Layer w15: P4.5 2218.4,1260.7 2218.4,1218.61 2295.06,1141.95 v1(2758.44,1141.95)
RST: C9.2 P4.1 R1.2 R26.2 RST1.1 | length 737.9
  Top Layer w15: P4.1 1816.26,1177.47 1997.98,995.74 R1.2 R26.2 1974.21,827.73 RST1.1
pads on no net: P4.2 U2.2 U2.5 U2.9 U2.10 U2.15 U2.16 U2.17 V1.1 V2.1 V3.1 V4.1

## Polygon pours and split planes (outlines as drawn)
GND_5V on Bottom Layer "GND_5V_L02_P027" (solid, pour order 27): 2606.84,500.13 2577.79,471.08 1351.13,471.08 1261.11,561.11 1261.11,980.69 1258.63,983.16 1227.35,1015.43 1090.55,1152.23 1090.55,1444.78 1141.73,1495.96 1148.52,1489.18 4531.5,1489.18 4531.5,764.76 4500.01,733.27 2664.35,733.27 2606.84,675.76
GND_24V_MCU on Bottom Layer "GND_24V_MCU_L02_P025" (solid, pour order 25): 484.25,854.9 484.25,275.59 1112.48,275.59 1227.35,390.45 1227.35,974.5 1053.15,1148.7 1054.19,1149.74 1054.19,1497.3 1046.6,1504.9 829.23,1504.9 801.91,1477.57 801.91,893.61 763.21,854.9
GND_5V on Top Layer "GND_5V_L01_P028" (solid, pour order 28): 2606.37,500.13 2606.84,500.13 2577.79,468.47 1350.67,468.47 1260.64,558.49 1260.64,978.07 1258.17,980.55 1226.88,1012.82 1090.09,1149.62 1090.09,1442.17 1141.27,1493.35 1148.06,1486.56 4531.04,1486.56 4531.04,762.15 4499.55,730.65 2663.88,730.65 2606.37,673.14
GND_24V_MCU on Top Layer "GND_24V_MCU_L01_P013" (solid, pour order 13): 484.25,275.59 1112.48,275.59 1227.35,390.45 1227.35,974.5 1053.15,1148.7 1053.15,1498.35 1046.6,1504.9 829.23,1504.9 801.91,1477.57 801.91,893.61 763.21,854.9 484.25,854.9
GND_LOAD on Top Layer "GND_LOAD_L01_P024" (solid, pour order 24): 39.37,1506.68 39.37,3346.46 4724.41,3346.46 4724.41,78.74 2690.49,78.74 2628.13,141.1 2631.24,144.21 2631.24,662.74 2655.09,686.58 4479.31,686.58 4550.6,757.87 4550.6,1574.8 831.99,1574.8 763.86,1506.68

## Keep-outs
Keep-Out Layer:
  lines w5.91: 0,0 0,3385.83 4763.78,3385.83 4763.78,0 0,0 ; 5082.68,3759.84 5082.68,3759.84

## Silkscreen, mask and mechanical layers (free items; w line width, h text height)
Top Overlay:
  drawing of 50 lines, arcs and shapes, not listed
  text "OUTPUT" at 2011.81,3341.8 h60 r180
  text "24V" at 1460,2975 h60 r180
  text "GND" at 720.04,2974.28 h60 r180
  text "OUT4" at 3159.84,2862.55 h60 r180
  text "OUT3" at 3456.69,2862.55 h60 r180
  text "OUT2" at 3753.76,2862.55 h60 r180
  text "OUT1" at 4062.99,2862.55 h60 r180
  text "24V" at 2228.35,2862.05 h60 r180
  text "GND" at 2539.37,2853.61 h60 r180
  text "GND" at 2842.35,2851.7 h60 r180
  text "GND" at 2716.69,503.27 h60
  text "GND" at 3018.51,503.27 h60
  text "IN1" at 3336.2,502.55 h60
  text "IN2" at 3636.77,502.55 h60
  text "IN3" at 3944.18,503.27 h60
  text "CÔNG TY TNHH SX&TM THIẾT BỊ" at 67.58,301.25 h78.74
  text "ĐIỆN CÔNG NGHIỆP QUẢNG NINH" at 41.76,222.51 h78.74
  text "INPUT" at 2444.88,44.03 h60
Mechanical 1:
  lines w5.91: 4291.34,3385.83 4763.78,3385.83 ; 0,0 0,3375.09 0,3385.83 4763.78,3385.83 ; 0,0 472.44,0 472.44,433.07 4291.34,433.07 4291.34,0 4763.78,0 ; 0,0 4763.78,0 ; 4763.78,0 4763.78,3385.83

## Text inside footprints (layer, text, board x,y; h text height)
C1: Top Overlay "+" at 1048.81,2657.17 h78.74 r270; Mechanical 15 "+" at 1048.81,2657.17 h78.74 r270
C2: Top Overlay "+" at 1712.87,2657.17 h78.74 r270; Mechanical 15 "+" at 1712.87,2657.17 h78.74 r270
C3: Top Overlay "+" at 1712.87,1948.82 h78.74 r270; Mechanical 15 "+" at 1712.87,1948.82 h78.74 r270
C4: Top Overlay "+" at 1041.51,1948.82 h78.74 r270; Mechanical 15 "+" at 1041.51,1948.82 h78.74 r270